# KiCad board AGBM-02_AA_1-1_GBE-plus-CXC_kicad10.kicad_pcb (continued)
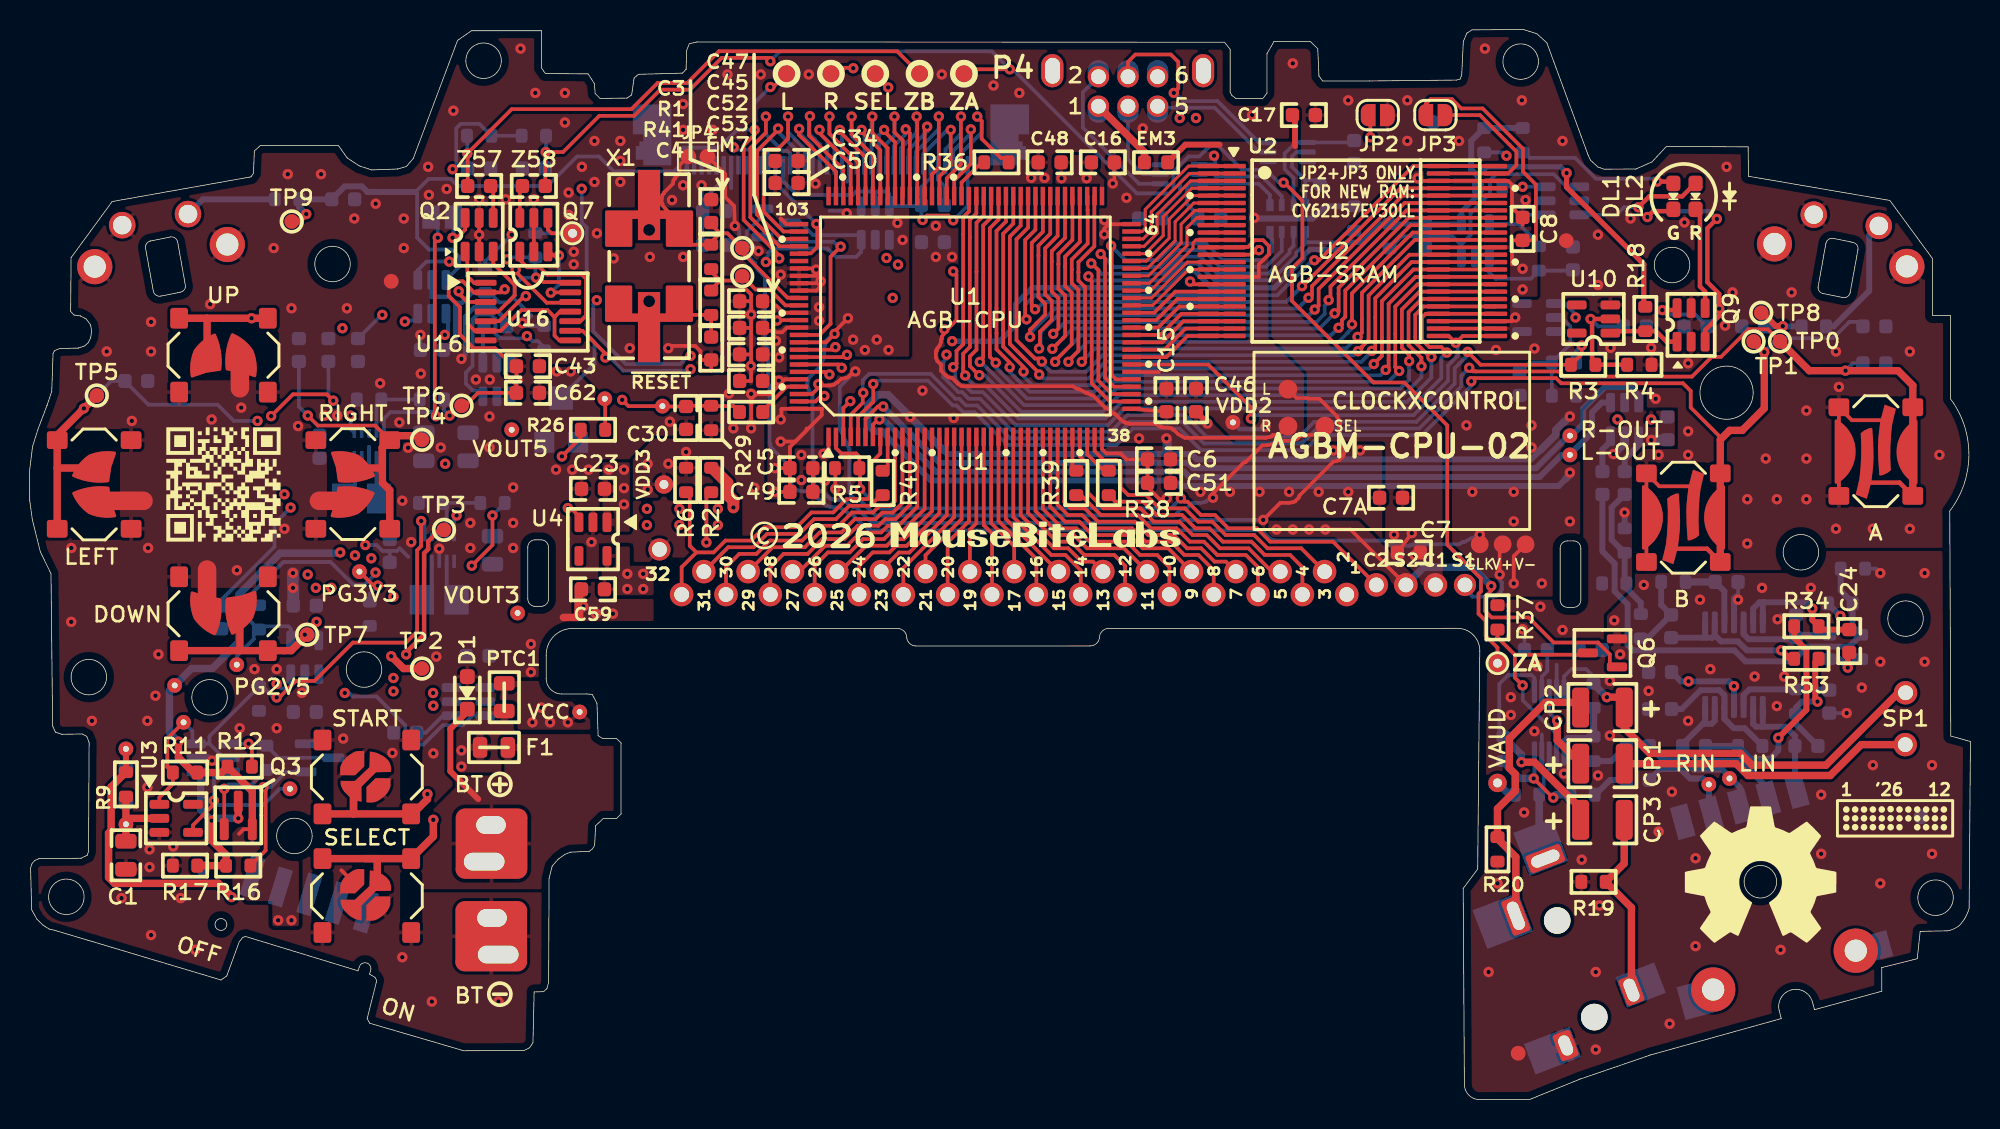
[diagram p0: board, top side]
## Routing (per net, layer and track width the routed paths; a pad name or vN(x,y) marks a point on that pad's centre or on a via; arc(x,y) is an arc through that point) (continued)
VBATT: length 19.4
  Top w0.4: R9.1 TP19.1
  Top w0.5: R9.1 5.52,21.15 5.52,18.2 5.34,18.02 5.34,15.03 5.75,14.63 12.78,14.63 13.67,13.74 v1(13.67,13.7)
  Bottom w0.4: 6.52,22.43 TP19.1
  vias: v1(29.22,23.63) v1(29.22,22.53)
VCC: length 4.6
  Bottom w0.25: v1(22.72,37.53) 23.48,37.53 23.89,37.13 24.32,37.13 ; 24.32,37.13 24.37,37.08 C37.1 ; 24.32,37.13 24.12,37.13 24.85,37.13 25.04,37.31 25.62,36.73
  vias: v1(22.02,36.83) v1(23.12,36.63) v1(24.62,34.03) v1(34.02,25.53) v1(34.62,26.53) v1(35.22,25.53) v1(36.42,25.53)
VDD2: length 42.4
  Top w0.25: 100.3,56.53 100.3,58.15 C8.1 ; 50.52,53.73 51,53.25 52.05,53.25 ; 81.55,55.65 U2.16 ; U2.16 83.17,55.68 83.17,56.52 83.85,57.2 83.85,57.76 83.46,58.16 82.9,58.16 82.44,57.7 81.55,57.7 U2.12 U2.12 ; U2.16 U2.16 ; 49.7,52.23 49.89,52.03 50.32,52.03 50.42,51.93 50.92,51.93 51.24,52.25 52.05,52.25 52.03,52.22 ; C8.1 101.84,58.15 101.92,58.23 101.92,61.93 101.05,62.79 101.05,64.34 98.32,67.08 96.87,67.08 96.24,67.71 94.8,67.71 94.47,67.38 JP3.1 ; C8.1 100.57,58.15 ; U2.37 99.18,57.68 99.19,57.67 ; 74.48,49.24 76.41,49.24
  Bottom w0.25: 81.12,45.53 TP18.1 ; v1(83.62,45.53) 83.47,45.38
  Bottom w0.3: 83.47,45.38 81.87,45.38 TP18.1
  vias: v1(18.82,35.53) v1(19.37,34.63) v1(19.42,32.33) v1(20.42,34.63) v1(50.49,51.35) v1(50.72,50.23) v1(53.42,53.63) v1(53.42,52.7) v1(69.82,62.35) v1(71.52,62.35) v1(101.02,56.23) v1(101.02,54.83)
VDD3: length 57.9
  Top w0.25: 52.05,48.75 51.1,48.75 50.08,47.73 49.16,47.73 48.82,47.39 v1(48.82,45.43) ; v1(99.47,35.53) 99.47,37.48 TP84.1 ; 50.82,59.58 50.82,59.63 51.2,59.25 52.05,59.25 ; v1(34.27,55.62) 34.48,55.62 34.77,55.33 36.53,55.33 U16.14 ; v1(53.72,43.7) 54.06,44.04 U1.1 ; C5.1 C49.1
  In2.Cu w0.25: v1(28.63,62.97) 29.52,62.07 29.52,58.23 30.88,56.86 v1(32.32,56.86)
  Bottom w0.25: 32.72,54.28 33.92,53.08 33.92,53.03 33.44,52.55 v1(33.35,52.55) 33.55,52.35 35.02,52.35 ; 32.72,54.28 32.39,53.95 31.76,53.95 31.11,54.6 30.82,54.6 ; 32.72,54.28 32.82,54.38 32.82,55.13 33.32,55.62 v1(34.27,55.62) 34.22,55.67 R68.1 33.02,57 ; 33.3,65.23 R70.1 30.44,66.03 29.17,66.03 28.87,65.73 28.87,63.21 v1(28.63,62.97) ; P1.S1 97.62,34.03 99.02,34.03 99.27,34.08 99.57,34.38 99.57,34.48 99.62,34.53 99.62,34.98 99.47,35.23 v1(99.47,35.53) ; 33.02,57 32.53,57 32.4,56.86 v1(32.32,56.86) ; 33.02,57 33.02,56.98 ; v1(55.29,59.98) 55.28,59.97 55.21,59.97 55.03,60.15 54.12,60.15
  Bottom w0.3: 28.82,53.93 29.25,53.93 29.92,54.6 30.82,54.6 ; 28.82,53.93 28.82,51.08 28.52,50.78 28.33,50.78 28.28,50.73 C39.1 ; 28.82,53.93 28.42,54.32 27.22,54.32 U15.5
  vias: v1(24.62,28.53) v1(24.62,27.63) v1(27.3,27.51) v1(27.32,26.65) v1(41.82,43.03) v1(41.82,41.28) v1(43.22,43.03) v1(44.42,43.83) v1(47.32,47.78) v1(47.62,45.43) v1(48.82,47.76) v1(49.05,41.4) v1(50.69,48.65) v1(52.22,43.63) v1(52.22,41.93) v1(53.81,41.88) v1(55.72,51.43) v1(56.52,50.73) v1(57.32,51.43) v1(58.12,50.73) v1(58.72,59.33) v1(59.07,58.18)
VDD5: length 30.3
  Top w0.25: R26.2 38.95,47.4 TP14.1 ; Q6.1 106.92,29.28 106.92,30.13 106.12,30.93 103.12,30.93 101.42,32.63 98.92,32.63 98.49,33.06 98.49,34.04 98.89,34.44 v1(98.89,34.75) ; P1.S2 89.37,38.58 v1(87.67,38.58)
  Bottom w0.25: 47.47,61.68 P2.34
  Bottom w0.5: P1.S2 94.32,36.03 96.62,36.03 97.62,36.03 v1(98.89,34.75)
  vias: v1(41.77,39.98) v1(41.77,38.88) v1(43.97,39.98) v1(43.97,38.88) v1(46.57,39.98) v1(46.57,38.88) v1(84.37,38.58) v1(85.47,38.58) v1(86.57,38.58)
VDD35: length 43.1
  Top w0.25: C7.1 v1(93.72,36.83) ; v1(76.94,40.68) 76.86,40.6 76.49,40.6 75.64,41.44 C51.1 C6.1 74.22,43.33 73.82,43.73 72.86,43.73 72.56,44.02 U1.38
  Top w0.4: 80.52,64.63 78.21,64.63 EM3.1 ; C17.1 85.62,66.45 85.62,64.53
  Top w0.5: v1(47.62,40.06) 47.61,40.06 47.62,40.07
  Top w0.8: 47.62,40.07 47.62,40.53 47.22,40.93 47.22,41.73 46.2,42.75 R2.1
  In2.Cu w0.25: P1.1 89.12,35.48 89.02,35.58 89.02,39.53 88.57,39.98 77.12,39.98 76.94,40.15 v1(76.94,40.68)
  Bottom w0.4: R35.2 87.64,60.45 86.82,59.63 82.91,59.63 v1(82.86,59.67)
  vias: v1(92.32,38.23)
/CPU/A_{0}: length 18
  Top w0.25: U1.33 70.06,43.02 70.02,42.98 70.02,40.48 70.02,40.48 70.02,40.43 70.44,40.01 71.39,40.01 72.3,39.11 74.79,39.11 75.69,38.21 77.42,38.21 78.32,37.3 79.27,37.3 80.18,36.4 80.94,36.4 P1.6
/CPU/A_{1}: length 18.6
  Top w0.25: U1.32 69.56,40.25 70.25,39.56 71.21,39.56 72.11,38.66 74.6,38.66 75.51,37.75 77.23,37.75 78.13,36.85 79.09,36.85 80.12,35.82 P1.7
/CPU/A_{2}: length 16.1
  Top w0.25: P1.8 77.04,37.3 75.32,37.3 74.42,38.21 71.92,38.21 71.02,39.11 70.07,39.11 69.06,40.11 U1.31
/CPU/A_{3}: length 16.9
  Top w0.25: U1.30 68.56,39.98 69.88,38.66 70.83,38.66 71.74,37.75 74.23,37.75 75.13,36.85 76.29,36.85 77.12,36.03 P1.9
/CPU/A_{4}: length 14.3
  Top w0.25: U1.29 68.06,39.84 69.69,38.21 70.65,38.21 71.55,37.3 74.04,37.3 P1.10
/CPU/A_{5}: length 15.1
  Top w0.25: P1.11 74.12,36.13 73.39,36.85 71.36,36.85 70.46,37.75 69.51,37.75 67.56,39.7 U1.28
/CPU/A_{6}: length 12.4
  Top w0.25: P1.12 71.94,36.4 71.18,36.4 70.27,37.3 69.32,37.3 67.06,39.56 U1.27
/CPU/A_{7}: length 13.1
  Top w0.25: P1.13 71.12,35.82 70.09,36.85 69.13,36.85 66.56,39.42 U1.26
/CPU/A_{8}: length 10.6
  Top w0.25: P1.14 66.06,39.29 U1.25
/CPU/A_{9}: length 11.7
  Top w0.25: P1.15 68.12,36.59 65.56,39.15 U1.24
/CPU/A_{10}: length 9.8
  Top w0.25: U1.23 65.06,39.01 66.62,37.45 P1.16
/CPU/A_{11}: length 10.9
  Top w0.25: U1.22 64.56,38.87 65.12,38.31 P1.17
/CPU/A_{12}: length 9.3
  Top w0.25: U1.21 64.06,39 63.62,38.56 P1.18
/CPU/A_{13}: length 11.3
  Top w0.25: P1.19 62.12,37.7 63.56,39.14 U1.20
/CPU/A_{14}: length 10.1
  Top w0.25: U1.19 63.06,39.28 60.62,36.84 P1.20
/CPU/A_{15}: length 12.1
  Top w0.25: U1.18 62.56,39.41 59.12,35.97 P1.21
/CPU/Audio/L-OUT: length 55.4
  Top w0.25: U1.7 57.06,45.67 57.39,46 57.48,46 v1(57.5,46.02)
  Bottom w0.4: U9.1 106.37,47.16 105.72,46.51 105.72,45.15 104.22,43.65 TP115.1 103.67,43.63 102.17,42.13 78.47,42.13 78.11,42.49 61.32,42.49 57.8,46 57.54,46
  Bottom w0.5: v1(57.5,46.02) 57.52,46 57.54,46
/CPU/Audio/LIN: length 9
  Bottom w0.4: C56.1 110.56,22.96 111.96,22.96 112.6,22.33 114.52,22.33 115.71,21.13 VR2.3 115.87,19.69 115.87,19.52
/CPU/Audio/R-OUT: length 59
  Top w0.25: v1(57.75,46.9) 57.4,46.9 56.56,46.07 U1.6
  Bottom w0.4: 108.87,47.36 108.87,47.68 108.32,48.23 106.59,48.23 105.12,46.76 105.12,45.73 104.32,44.93 TP114.1 104.12,44.93 101.92,42.73 78.72,42.73 78.36,43.09 61.57,43.09 v1(57.75,46.9)
/CPU/Audio/RIN: length 7.2
  Bottom w0.4: 113.94,19.02 113.62,19.34 TP34.1 113.22,21.72 112.35,21.72 111.71,22.36 110.33,22.36 C55.1
/CPU/CK1: length 22.9
  Top w0.25: 43.57,59.93 42.02,59.93 ; 43.57,59.93 43.22,60.08 43.07,60.23 42.82,60.53 42.82,60.63 42.77,60.68 42.77,60.98 42.82,61.23 42.92,61.33 42.92,61.38 43.52,61.98 43.57,62.23 43.67,62.33 43.67,62.38 43.97,62.68 43.97,63.23 JP4.1 ; 43.57,59.93 44.14,59.35 ; 42.02,59.93 42.02,60.56 41.91,60.66 ; 42.02,59.93 43.42,59.93 44.12,59.23 44.12,58.43 44.7,57.85 R1.1 46.12,58.03 46.72,58.63 ; 46.72,58.63 46.12,59.23 C3.2 ; 46.72,58.63 47.22,58.63 TP80.1 48.22,57.33 51.28,54.27 52.03,54.27 52.05,54.25
  vias: v2(41.92,58.85)
/CPU/CK2: length 8.2
  Top w0.25: R41.1 46.12,54.83 46.72,55.43 ; 46.72,55.43 47.92,55.43 TP81.1 49.12,54.83 50.06,54.83 51.14,53.75 52.05,53.75 ; 46.72,55.43 46.12,56.03 46.12,56.2
/CPU/CLS: length 13
  Top w0.25: v1(50.64,65.71) 50.64,65.62 49.22,64.2 49.22,59.9 50.87,58.25 52.05,58.25
  Bottom w0.25: P2.25 51.97,64.18 50.64,65.5 v1(50.64,65.71)
/CPU/D_{0}: length 11.4
  Top w0.25: P1.22 57.62,35.83 58.81,37.02 59.53,37.02 62.06,39.55 U1.17
/CPU/D_{1}: length 14
  Top w0.25: P1.23 56.12,36.1 57.05,37.03 58.18,37.03 58.63,37.47 59.34,37.47 61.56,39.69 U1.16
/CPU/D_{2}: length 13.2
  Top w0.25: U1.15 61.06,39.83 59.15,37.92 58.44,37.92 58,37.48 56.59,37.48 54.83,35.73 P1.24
/CPU/D_{3}: length 15.9
  Top w0.25: U1.14 60.56,39.97 58.97,38.37 58.25,38.37 57.81,37.93 56.4,37.93 55.5,37.03 54.02,37.03 53.12,36.13 P1.25
/CPU/D_{4}: length 15
  Top w0.25: P1.26 52.08,35.73 53.83,37.48 55.31,37.48 56.21,38.38 57.62,38.38 58.06,38.82 58.78,38.82 60.06,40.1 U1.13
/CPU/D_{5}: length 17.6
  Top w0.25: U1.12 59.56,40.24 58.59,39.27 57.88,39.27 57.43,38.83 56.02,38.83 55.12,37.93 53.65,37.93 52.64,36.93 51.02,36.93 50.12,36.03 P1.27
/CPU/D_{6}: length 16.8
  Top w0.25: P1.28 50.27,37.38 52.46,37.38 53.46,38.38 54.94,38.38 55.84,39.28 57.25,39.28 57.69,39.72 58.41,39.72 59.06,40.38 U1.11
/CPU/D_{7}: length 19.5
  Top w0.25: P1.29 47.12,36.03 48.02,36.93 49.18,36.93 50.08,37.83 52.27,37.83 53.27,38.83 54.75,38.83 55.65,39.73 57.06,39.73 57.5,40.18 58.22,40.18 58.56,40.52 U1.10
/CPU/DCK_{R}: length 3.1
  Top w0.25: 64.59,63.6 63.06,62.07 U1.84
/CPU/Display/DCK: length 8.1
  Top w0.25: 66.25,63.63 66.14,63.73 65.72,63.73 64.42,65.03 64.42,66.23 v1(64.12,66.53)
  Bottom w0.25: v1(64.12,66.53) 64.42,66.23 64.42,65.44 62.97,63.99 P2.3
/CPU/Display/VCOM: length 31.1
  In1.Cu w0.25: v1(37.36,61.64) 37.85,61.15 41.41,61.15 43.53,63.28 46.48,63.28 v1(47.64,64.44)
  Bottom w0.25: v1(37.36,61.64) 37.36,59.35 37.69,59.02 37.69,51.8 38.22,51.27 38.22,49.78 35.97,47.53 VR1.2 35.97,47.87 35.9,47.94 ; v1(47.64,64.44) 47.64,64.4 47.77,64.28 49.72,64.28 49.97,64.03 P2.29
/CPU/Display/VR1-2: length 4
  Top w0.25: v1(36.02,43.53) 37.3,44.8 37.3,45.33
  Bottom w0.25: 36.97,44.85 36.97,44.47 v1(36.02,43.53)
/CPU/Display/ZA: length 2.1
  Top w0.25: 33.17,59.76 33.17,61.65 Z58.1
/CPU/Display/ZB: length 2.3
  Top w0.25: 31.37,59.76 31.37,61.85 31.2,62.03
/CPU/IN35: length 43
  Top w0.25: v1(77.9,40.68) 78.12,40.46 78.35,40.46 79.25,39.56 80.21,39.56 81.11,38.66 83.04,38.66 83.94,37.75 88.19,37.75 P1.C2 ; U1.2 54.56,44.09 54.92,43.73 55.92,43.73 56.14,43.5 56.14,42.73 56.2,42.68 v1(56.2,41.31)
  Bottom w0.25: v1(77.9,40.68) 77.89,40.68 77.89,40.69 v1(77.9,40.68) ; v1(77.9,40.68) 77.9,40.68 77.22,40.01 57.5,40.01 v1(56.2,41.31)
/CPU/IRQ: length 25.3
  Top w0.25: 44.42,41.1 44.67,40.85 44.67,37.48 45.12,37.03 ; 45.12,37.03 46.28,37.03 47.08,37.83 48.81,37.83 49.71,38.73 51.9,38.73 52.9,39.73 54.38,39.73 55.28,40.63 56.69,40.63 56.87,40.82 56.87,43.03 57.56,43.72 U1.8 ; 45.12,37.03 44.12,36.03 P1.31
/CPU/LDB1: length 8.7
  Top w0.25: U1.101 54.56,62.79 52.07,65.29 v1(52.07,65.7)
  Bottom w0.25: 52.19,65.55 51.93,65.55 ; P2.23 52.97,64.51 52.07,65.42 v1(52.07,65.7)
/CPU/LDB2: length 10
  Top w0.25: U1.100 55.06,62.93 52.74,65.25 52.74,66.5 v1(52.8,66.55)
  Bottom w0.25: v1(52.8,66.55) 52.77,66.52 52.77,65.35 53.47,64.65 P2.22
/CPU/LDB3: length 8
  Top w0.25: v1(53.45,65.63) 53.45,65.41 55.56,63.29 U1.99
  Bottom w0.25: P2.21 53.97,64.88 53.45,65.4 v1(53.45,65.63)
/CPU/LDB4: length 9.6
  Top w0.25: U1.98 56.06,63.43 54.12,65.37 v1(54.12,66.53)
  Bottom w0.25: P2.20 54.47,65.02 54.12,65.37 v1(54.12,66.53)
/CPU/LDB5: length 7.7
  Top w0.25: U1.97 56.56,63.77 54.82,65.51 v1(54.82,65.63)
  Bottom w0.25: v1(54.82,65.63) 54.97,65.48 P2.19
/CPU/LDG1: length 9.4
  Top w0.25: v1(55.62,66.53) 55.62,65.35 57.06,63.91 U1.96
  Bottom w0.25: P2.17 55.97,64.88 55.62,65.23 v1(55.62,66.53)
/CPU/LDG2: length 7.5
  Top w0.25: v1(56.3,65.63) 56.3,65.51 57.56,64.25 U1.95
  Bottom w0.25: P2.16 56.47,65.45 v1(56.3,65.63)
/CPU/LDG3: length 9.1
  Top w0.25: U1.94 58.06,64.39 57.02,65.43 v1(57.02,66.53)
  Bottom w0.25: v1(57.02,66.53) 56.97,66.48 P2.15
/CPU/LDG4: length 7.3
  Top w0.25: U1.93 58.56,64.79 57.82,65.53 v1(57.82,65.63)
  Bottom w0.25: P2.14 57.47,65.28 v1(57.82,65.63)
/CPU/LDG5: length 9.2
  Top w0.25: U1.92 59.08,61.17 59.08,64.91 58.52,65.47 v1(58.52,66.53)
  Bottom w0.25: P2.13 57.97,64.68 58.52,65.23 v1(58.52,66.53)
/CPU/LDR1: length 7.4
  Top w0.25: v1(59.28,65.67) 59.56,65.39 U1.91
  Bottom w0.25: v1(59.28,65.67) 59.28,65.35 58.47,64.54 P2.12
/CPU/LDR2: length 9.1
  Top w0.25: U1.90 60.06,65.56 60.05,65.56 60.05,66.12 60.06,66.13 60.06,66.49 v1(60.02,66.53)
  Bottom w0.25: P2.11 58.97,64.4 60.02,65.45 v1(60.02,66.53)
/CPU/LDR3: length 7.9
  Top w0.25: v1(60.73,65.84) 60.56,65.67 U1.89
  Bottom w0.25: P2.10 59.47,64.26 60.73,65.52 v1(60.73,65.84)
/CPU/LDR4: length 9.5
  Top w0.25: v1(61.52,66.53) 61.52,63.08 61.06,62.62 U1.88
  Bottom w0.25: v1(61.52,66.53) 61.52,65.68 59.97,64.13 P2.9
/CPU/LDR5: length 8.1
  Top w0.25: v1(62.33,65.62) 62.33,63.25 61.56,62.48 U1.87
  Bottom w0.25: P2.8 60.47,63.99 62.11,65.63 62.32,65.63 v1(62.33,65.62)
/CPU/LGND:
  vias: v1(77.82,66.43) v1(78.92,66.43)
/CPU/LP: length 7.9
  Top w0.25: v1(63.69,65.66) 63.69,63.33 62.56,62.2 U1.85
  Bottom w0.25: v1(63.69,65.66) 63.69,65.39 62.47,64.18 P2.4
/CPU/LRST: length 20.1
  Top w0.25: 35.52,52.96 35.52,51.7 35.85,51.38 U16.8 36.63,51.33 37.12,51.33 ; 35.52,52.96 35.89,53.33 U16.11 ; 35.52,52.96 35.05,53.42 34.75,53.42 34.75,53.43 33.27,53.43 31.87,52.03 U16.6 30.12,52.03 29.62,52.53 29.62,53.98 ; v1(29.03,54.7) 29.03,54.56 29.62,53.98 ; 29.62,53.98 U16.3
  In1.Cu w0.25: 29.02,54.72 v1(29.03,54.7) 29.03,56.07 v1(28.39,56.71)
  Bottom w0.25: v1(28.39,56.71) 26.85,56.71 26.27,56.13 U15.4
/CPU/MA_{0}: length 31.4
  Top w0.25: v1(82.64,46.09) 82.64,46.85 79.75,49.74 74.48,49.74 ; 98.96,51.67 98.95,51.68 96.97,51.68 v1(96.51,51.21) 96.49,51.21 96.02,51.68 U2.25
  Bottom w0.25: v1(96.51,51.21) 96.63,51.09 96.63,50.33 96.57,50.28 95.97,49.68 95.97,48.64 93.65,46.32 82.86,46.32 v1(82.64,46.09)
/CPU/MA_{1}: length 7.5
  Top w0.25: U1.46 76.92,50.25 78.35,51.68 79.72,51.68 ; U2.24 U2.24
/CPU/MA_{2}: length 7.5
  Top w0.25: 79.72,52.18 78.21,52.18 76.78,50.75 U1.47 ; U2.23 U2.23
/CPU/MA_{3}: length 7.5
  Top w0.25: 79.72,52.68 78.07,52.68 76.64,51.25 U1.48 ; U2.22 U2.22
/CPU/MA_{4}: length 7.5
  Top w0.25: U1.49 76.5,51.75 77.93,53.18 79.72,53.18 ; U2.21 U2.21
/CPU/MA_{5}: length 7.5
  Top w0.25: U1.50 76.37,52.25 77.8,53.68 79.72,53.68 ; U2.20 U2.20
/CPU/MA_{6}: length 7.5
  Top w0.25: U1.51 76.23,52.75 77.66,54.18 79.72,54.18 ; U2.19 U2.19
/CPU/MA_{7}: length 7.5
  Top w0.25: U2.18 U2.18 ; 79.72,54.68 77.52,54.68 76.09,53.25 U1.52
/CPU/MA_{8}: length 9.5
  Top w0.203: 79.72,59.68 78.97,59.68 78.32,59.02 78.32,57.79 75.77,55.25 U1.56
  Top w0.25: U2.8 U2.8
/CPU/MA_{9}: length 9.5
  Top w0.203: U1.57 75.7,55.75 77.91,57.96 77.91,59.24 78.85,60.18 79.72,60.18
  Top w0.25: U2.7 U2.7
/CPU/MA_{10}: length 9.5
  Top w0.203: U1.58 75.63,56.25 77.51,58.13 77.51,59.41 78.78,60.68 79.72,60.68
  Top w0.25: U2.6 U2.6
/CPU/MA_{11}: length 9.5
  Top w0.203: 79.72,61.18 78.71,61.18 77.1,59.57 77.1,58.3 75.55,56.75 U1.59
  Top w0.25: U2.5 U2.5
/CPU/MA_{12}: length 9.5
  Top w0.203: 79.72,61.68 78.63,61.68 76.7,59.74 76.7,58.46 75.48,57.25 U1.60
  Top w0.25: U2.4 U2.4
/CPU/MA_{13}: length 9.5
  Top w0.203: 79.72,62.18 78.56,62.18 76.3,59.91 76.3,58.63 75.41,57.75 U1.61
  Top w0.25: U2.3 U2.3
/CPU/MA_{14}: length 9.5
  Top w0.203: U1.62 75.34,58.25 75.82,58.73 75.82,58.73 75.89,58.8 75.89,60.08 78.49,62.68 79.72,62.68
  Top w0.25: U2.2 U2.2
/CPU/MA_{15}: length 9.7
  Top w0.203: 79.82,63.18 78.42,63.18 75.49,60.24 75.49,58.96 75.27,58.75 U1.63 74.61,58.79
  Top w0.25: U2.1 U2.1
/CPU/MA_{16}: length 45.5
  Top w0.25: U1.74 68.06,58.87 67.36,58.17 67.36,52.8 67.36,52.8 v1(67.45,52.8) ; 99.19,63.17 99.18,63.18 U2.48 93.62,63.18 87.25,56.8 v1(86.93,56.8)
  Bottom w0.25: v1(67.45,52.8) 67.36,52.8 67.36,52.8 67.36,53.77 67.75,54.16 67.76,54.16 68.03,54.43 84.43,54.43 86.8,56.8 v1(86.93,56.8)
/CPU/MD_{0}: length 56.9
  Top w0.25: v1(94.85,50.25) 94.75,50.25 93.76,51.25 93.76,53.11 94.33,53.68 U2.29 99.18,53.68 99.19,53.67 ; U1.82 64.06,59.97 63.62,59.53 63.62,58.37 63.62,58.37 63.62,51.12 63.62,51.12 63.62,50.93 63.17,50.48 63.17,49.49 63.17,49.49 63.17,49.14 v1(63.3,49)
  Bottom w0.25: v1(94.85,50.25) 94.85,49.91 94.85,49.91 94.85,49.35 94.85,49.35 94.85,48.86 93.21,47.22 73.9,47.22 72.78,46.09 66.92,46.09 66.27,46.74 64.68,48.33 63.92,48.33 63.3,48.94 v1(63.3,49)
/CPU/MD_{1}: length 54.3
  Top w0.25: v1(93.34,49.97) 93.34,50.38 92.85,50.87 92.85,53.48 94.05,54.68 U2.31 99.18,54.68 99.19,54.67 ; v1(64.3,49.92) 64.3,50.01 64.52,50.24 64.52,51.5 64.52,51.5 64.52,53.93 64.52,59.16 65.06,59.7 U1.80
  Bottom w0.25: v1(64.3,49.92) 64.29,49.91 64.37,49.91 67.29,47 72.41,47 73.53,48.12 92.74,48.12 93.34,48.72 v1(93.34,49.97)
/CPU/MD_{2}: length 51.7
  Top w0.25: v1(91.76,49.38) 91.95,49.57 91.95,53.85 93.77,55.68 U2.33 99.18,55.68 99.19,55.67 ; v1(66.31,49.56) 66.31,49.88 65.42,50.77 65.42,51.87 65.42,51.87 65.42,53.55 65.42,58.78 66.06,59.42 U1.78
  Bottom w0.25: v1(91.76,49.38) 91.4,49.02 73.16,49.02 72.03,47.9 67.66,47.9 66.83,48.73 66.83,48.73 66.31,49.24 v1(66.31,49.56)
/CPU/MD_{3}: length 49.4
  Top w0.25: v1(68.31,49.07) 68.31,49.16 66.32,51.14 66.32,52.24 66.32,53.18 66.32,53.18 66.32,58.41 67.06,59.14 U1.76 ; v1(90.82,50.67) 91.05,50.9 91.05,54.23 93.5,56.68 U2.35 99.18,56.68 99.19,56.67
  Bottom w0.25: v1(90.82,50.67) 90.82,50.63 90.12,49.92 72.78,49.92 71.66,48.8 68.58,48.8 v1(68.31,49.07)
/CPU/MD_{4}: length 45
  Top w0.25: U1.66 72.04,61.13 72.04,57.75 70.97,56.67 70.97,55.99 70.97,55.99 70.97,55.43 71.36,55.03 71.38,55.03 71.42,54.99 71.42,50.15 v1(71.19,49.93) ; v1(89.86,51.61) 90.15,51.9 90.15,54.6 93.72,58.18 U2.38 99.18,58.18 99.19,58.17
  Bottom w0.25: v1(89.86,51.61) 89.07,50.83 72.09,50.83 v1(71.19,49.93)
/CPU/MD_{5}: length 47.3
  Top w0.25: v1(69.39,49.93) 69.32,50 69.39,50 70.51,51.12 70.51,54.61 70.06,55.06 70.06,56.36 70.06,57.05 71.06,58.04 U1.68 ; 99.19,59.17 99.18,59.18 U2.40 93.45,59.18 89.02,54.75 89.02,52.97 88.8,52.75 88.8,52.46 v1(88.57,52.23)
  Bottom w0.25: v1(88.57,52.23) 88.07,51.73 71.14,51.73 69.39,49.98 v1(69.39,49.93)
/CPU/MD_{6}: length 44.3
  Top w0.25: 99.19,60.17 99.18,60.18 U2.42 93.17,60.18 88.02,55.02 88.02,54.23 v1(87.9,54.1) ; U1.70 70.06,58.32 69.16,57.42 69.16,56.74 69.16,56.74 69.16,54.68 69.61,54.23 69.61,52.17 v1(69.26,51.82)
  Bottom w0.25: v1(87.9,54.1) 87.9,54 87.63,53.73 87.63,53.17 87.09,52.63 70.07,52.63 v1(69.26,51.82)
/CPU/MD_{7}: length 46.4
  Top w0.25: v1(67.69,51.61) 67.69,52.1 67.72,52.13 67.73,52.13 68.13,52.52 68.13,52.53 68.71,53.12 68.71,53.86 68.26,54.31 68.26,57.11 68.26,57.11 68.26,57.79 69.06,58.59 U1.72 ; 99.19,61.17 99.18,61.18 U2.44 92.9,61.18 86.77,55.05 86.77,54.48 86.56,54.26 v1(86.54,54.26)
  Bottom w0.25: v1(86.54,54.26) 85.81,53.53 69.38,53.53 67.69,51.84 v1(67.69,51.61)
/CPU/MD_{8}: length 55.7
  Top w0.25: 99.19,54.17 99.18,54.18 U2.30 94.19,54.18 93.3,53.29 93.3,51.06 94.17,50.19 94.17,49.97 94.17,49.97 v1(94.17,49.63) ; U1.81 64.56,59.83 64.07,59.34 64.07,56.03 64.07,56.03 64.07,51.31 64.07,51.31 64.07,50.74 63.62,50.29 63.62,49.68 63.62,49.68 63.62,49.64 64.24,49.02 v1(64.26,49.02)
  Bottom w0.25: v1(94.17,49.63) 94.17,48.88 92.96,47.67 73.72,47.67 72.59,46.54 67.1,46.54 64.63,49.02 v1(64.26,49.02)
/CPU/MD_{9}: length 52.8
  Top w0.25: 99.19,55.17 99.18,55.18 U2.32 93.91,55.18 92.4,53.67 92.4,49.57 v1(92.67,49.31) ; U1.79 65.56,59.56 64.97,58.97 64.97,53.74 64.97,53.74 64.97,51.68 64.97,51.68 64.97,50.27 v1(65.37,49.87)
  Bottom w0.25: v1(65.37,49.87) 65.37,49.55 66.64,48.28 66.65,48.28 67.48,47.45 72.22,47.45 73.34,48.57 91.93,48.57 v1(92.67,49.31)
/CPU/MD_{10}: length 50.7
  Top w0.25: U1.77 66.56,59.28 65.87,58.6 65.87,53.37 65.87,53.37 65.87,52.06 65.87,52.06 65.87,50.96 67.25,49.58 v1(67.25,49.26) ; v1(90.95,49.78) 91.5,50.33 91.5,54.04 93.64,56.18 U2.34 99.18,56.18 99.19,56.17
  Bottom w0.25: v1(67.25,49.26) 67.25,48.94 67.85,48.35 71.85,48.35 72.97,49.47 90.65,49.47 v1(90.95,49.78)
/CPU/MD_{11}: length 48.5
  Top w0.25: v1(68.49,49.95) 68.29,50.15 68.02,50.15 66.78,51.4 66.78,52.43 66.77,52.43 66.77,52.99 66.78,52.99 66.78,58.22 67.56,59.01 U1.75 ; 99.19,57.17 99.18,57.18 U2.36 93.36,57.18 90.6,54.41 90.6,51.36 90.58,51.34 90.54,51.34 90.14,50.95 90.14,50.91 v1(89.88,50.65)
  Bottom w0.25: v1(68.49,49.95) 68.49,49.85 69.1,49.25 71.47,49.25 72.6,50.38 89.61,50.38 v1(89.88,50.65)
/CPU/MD_{12}: length 46.1
  Top w0.25: U1.67 71.58,61.12 71.58,60.2 71.59,60.2 71.59,57.94 70.52,56.86 70.52,56.18 70.51,56.18 70.51,55.24 70.97,54.79 70.97,50.67 70.29,50 v1(70.29,49.93) ; v1(89.47,52.47) 89.47,54.56 93.59,58.68 U2.39 99.18,58.68 99.19,58.67
  Bottom w0.25: v1(89.47,52.47) 89.47,52.19 89.18,51.89 89.18,51.89 88.58,51.28 88.57,51.28 88.57,51.28 71.59,51.28 70.29,49.98 v1(70.29,49.93)
/CPU/MD_{13}: length 45.9
  Top w0.25: v1(88.3,53.21) 88.45,53.21 88.57,53.33 88.57,54.94 93.31,59.68 U2.41 99.18,59.68 99.19,59.67 ; v1(69.2,50.81) 69.54,51.14 69.54,51.14 69.94,51.54 70.06,51.67 70.06,54.42 69.61,54.87 69.61,56.55 69.61,56.55 69.61,57.23 70.56,58.18 U1.69
  Bottom w0.25: v1(69.2,50.81) 70.58,52.18 87.27,52.18 v1(88.3,53.21)
/CPU/MD_{14}: length 47.4
  Top w0.25: U1.71 69.56,58.46 68.71,57.61 68.71,56.92 68.71,56.92 68.71,54.49 69.16,54.04 69.16,52.77 68.37,51.97 68.37,51.33 68.37,51.33 68.37,50.89 v1(68.3,50.83) ; v1(86.95,53.46) 87.22,53.73 87.22,54.86 93.03,60.68 U2.43 99.18,60.68 99.19,60.67
  Bottom w0.25: v1(68.3,50.83) 68.42,50.94 68.42,51.93 69.57,53.08 86.57,53.08 v1(86.95,53.46)
/CPU/MD_{15}: length 42.7
  Top w0.25: U1.73 68.56,58.73 67.81,57.98 67.81,53.62 67.94,53.49 v1(68.03,53.49) ; 99.19,61.67 99.18,61.68 U2.45 92.76,61.68 86.13,55.05 v1(86.09,55.05)
  Bottom w0.25: v1(86.09,55.05) 85.03,53.98 68.62,53.98 68.13,53.49 v1(68.03,53.49)
/CPU/MOD: length 8.1
  Top w0.25: v1(53.24,59.26) 53.23,59.24 53.29,59.18 53.29,57.7 52.86,57.27 52.05,57.27 52.05,57.25
  Bottom w0.25: P2.28 50.47,62.03 53.23,59.26 v1(53.24,59.26)
/CPU/PHI: length 20.8
  Top w0.25: U1.37 72.06,43.89 72.67,43.28 73.52,43.28 73.82,42.98 73.82,41.43 74.33,40.91 75.54,40.91 76.44,40.01 78.16,40.01 79.07,39.11 80.02,39.11 80.92,38.21 82.85,38.21 83.76,37.3 86.04,37.3 P1.2
/CPU/PS: length 9.5
  Top w0.25: U1.86 62.06,62.34 63.01,63.29 63.01,66.52 v1(63.02,66.53)
  Bottom w0.25: v1(63.02,66.53) 63.01,66.52 63.01,65.38 63.02,65.37 63.02,65.36 61.97,64.31 P2.5
/CPU/RES: length 20.1
  Top w0.25: P1.30 47.27,37.38 49,37.38 49.9,38.28 52.08,38.28 53.09,39.28 54.56,39.28 55.46,40.18 56.87,40.18 57.32,40.63 57.45,40.63 R40.1 ; 46.12,41.1 45.8,40.78 v1(45.8,37.7)
  In1.Cu w0.25: P1.30 45.62,37.53 v1(45.8,37.7)
  Bottom w0.25: v1(45.8,37.7) 45.8,37.62 ; 45.45,35.9 P1.30
/CPU/RES_{0}: length 2.4
  Top w0.25: U1.9 58.06,42.89 57.72,42.55
/CPU/SCK: length 8.9
  Bottom w0.25: P4.5 76.42,67.13 80.18,67.13 83.18,64.13 83.97,64.13
/CPU/SD: length 15
  Top w0.25: v1(77.42,68.13) 77.72,68.43 77.72,70.23 77.22,70.73 74.82,70.73 74.32,70.23 P4.4
  Bottom w0.25: v1(77.42,68.13) 77.52,68.03 77.62,68.03 78.07,67.58 80.37,67.58 83.17,64.78 83.97,64.78
/CPU/SI: length 6.4
  Bottom w0.25: P4.3 74.32,63.63 75.32,62.63 76.67,62.63
/CPU/SO: length 10.9
  Bottom w0.25: P4.2 71.27,68.18 71.27,65.78 75.07,61.98 76.67,61.98
/CPU/SPL: length 14.2
  Top w0.25: v1(51.32,66.53) 51.32,65.99 51.32,65.43 51.32,65.43 51.32,65.03 50.62,64.33 49.99,64.33 49.67,64.01 49.67,60.09 51.01,58.75 52.05,58.75
  Bottom w0.25: P2.24 52.47,64.33 51.32,65.48 v1(51.32,66.53)
/CPU/SPS: length 15.5
  Top w0.25: 52.05,57.75 50.74,57.75 48.77,59.72 48.77,64.38 49.82,65.44 v1(49.82,66.53)
  Bottom w0.25: P2.26 51.47,64 51.27,64.2 50.95,64.2 49.82,65.33 v1(49.82,66.53)
/CPU/TP0: length 120.7
  Top w0.25: v1(56.41,47.83) 56.38,47.79 56.38,47.16 55.56,46.34 U1.4 ; U16.9 37.42,52.03 38.96,50.49 v1(38.96,50.21) ; v1(97.41,49.52) 97.65,49.29 97.83,49.29 97.84,49.28 103.47,49.28 103.82,48.93 112.48,48.93 113.82,50.26 114.44,50.26 116.31,52.13 117.61,52.13 TP0.1
  Top w0.3: SW4.2 124.32,43.27 124.32,41.75 126.52,41.75 SW4.2
  Top w0.5: TP0.1 120.42,49.33 v1(122.87,49.33) 126.42,49.33 127.42,48.33 SW4.2 127.42,44.1 127.14,43.83 127.42,43.55 SW4.2
  In1.Cu w0.25: v1(56.41,47.83) 56.34,47.83 56.22,47.94 55.81,47.94 55.81,47.94 55.24,47.94 54.23,46.94 53.49,46.94 53.1,47.34 53.1,47.35 52.92,47.53 51.82,47.53 50.18,47.53 49.19,48.52 46.01,48.52 45.1,49.43 v1(44.72,49.43)
  Bottom w0.25: v1(97.41,49.52) 96.87,48.99 96.87,48.27 94.02,45.41 87.11,45.41 86.09,44.4 79.45,44.4 77.99,45.87 74.47,45.87 73.34,44.74 66.35,44.74 65.11,45.98 64.12,46.97 63.36,46.97 62.91,47.42 62.65,47.42 60.97,49.1 56.8,49.1 56.38,48.68 56.38,47.86 v1(56.41,47.83) ; v1(38.96,50.21) 39.27,50.21 40.16,49.33 44.62,49.33 v1(44.72,49.43) ; C79.2 123.37,49.83 v1(122.87,49.33)
/CPU/TP1: length 141.5
  Top w0.25: U16.5 31.77,52.68 33.39,54.3 33.56,54.3 33.58,54.32 v1(33.58,54.37) ; v1(57.08,48.43) 57.08,47.23 56.06,46.2 U1.5 ; 114.39,44.65 114.39,44.83 112.39,46.83 112.39,47.95 111.87,48.47 103.63,48.47 103.28,48.82 97.76,48.82 v1(97.55,48.61)
  Top w0.3: 111.22,38.85 111.22,37.32 111.27,37.28 113.5,37.28 SW4.1
  Top w0.5: TP1.1 v1(117.37,50.59) 117.37,46.78 115.88,45.29 115.03,45.29 114.39,44.65 SW4.1 114.39,39.68 SW4.1 114.39,39.14 SW4.1
  In1.Cu w0.25: v1(58.76,56.5) 58.53,56.28 58.53,55.11 59.12,54.53 59.12,53.46 59.72,52.86 59.72,50 58.15,48.43 v1(57.08,48.43)
  In2.Cu w0.25: v1(58.76,56.5) 58.53,56.28 58.26,56.28 57.7,56.28 57.7,56.28 57.28,56.28 55.16,58.4 53.05,58.4 51.92,59.53 49.78,59.53 45.93,55.68 41.62,55.68 41.23,55.28 34.99,55.28 34.59,54.89 34.08,54.37 v1(33.58,54.37)